# KiCad board KiBoxLite_H.kicad_pcb (continued)
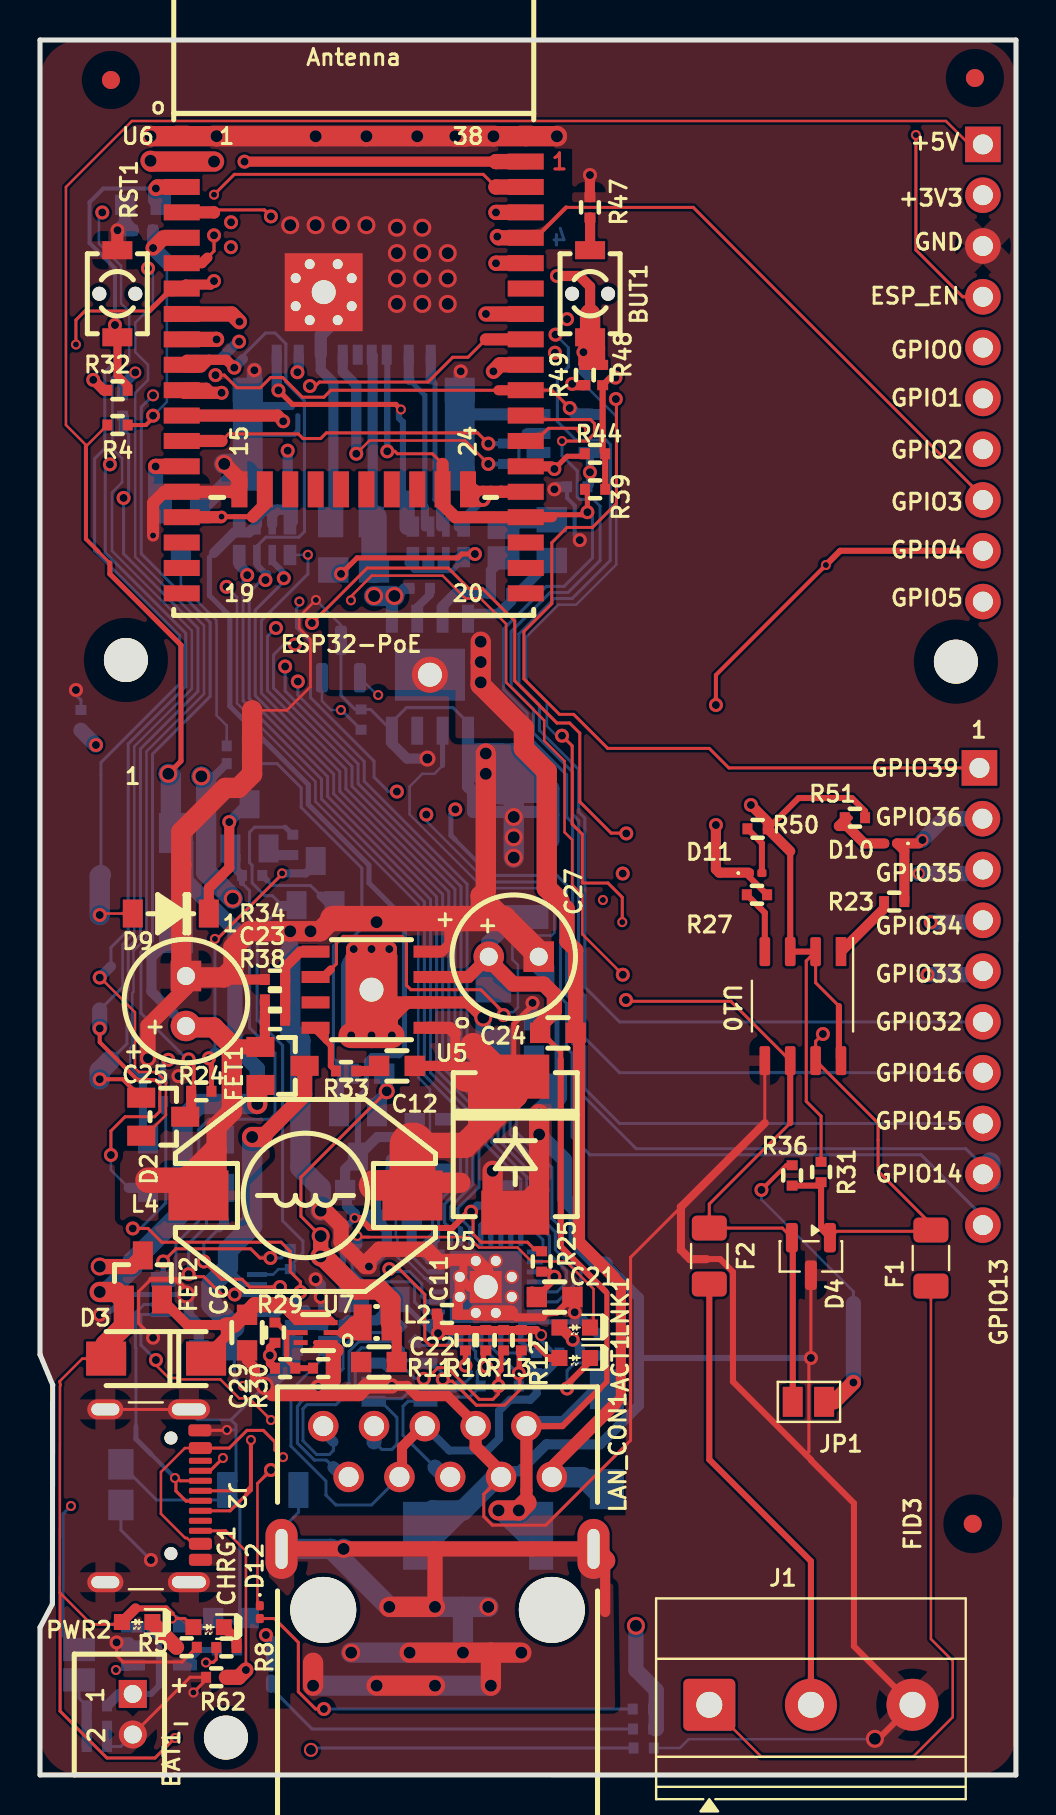
[diagram p0: board, top side]
## Routing (per net, layer and track width the routed paths; a pad name or vN(x,y) marks a point on that pad's centre or on a via; arc(x,y) is an arc through that point) (continued)
/GPIO3\U0RXD: length 103.2
  Top w0.152: 26.31,78.38 32.67,78.38 47.3,63.75
  Top w0.203: 26.31,78.38 24.85,76.92 v1(22.87,76.92)
  Top w0.762: v1(22.87,76.92) 22.93,76.86 U6.34
  In1.Cu w0.152: v1(5.4,75.33) 4.76,75.97 4.76,77.24 7.18,79.65 20.14,79.65 v1(22.87,76.92)
  Bottom w0.127: R16.1 5.07,34.82 4.51,35.38 4.51,36.35 4.61,36.45 4.61,39.1 4.68,39.17 4.68,41.21 5.32,41.86 5.32,51.18 8.2,54.06 8.2,57.47 4.76,60.91 4.76,69.1 5.4,69.75 5.4,70.51 4.76,71.14 4.76,72.62 5.65,73.5 5.65,75.09 v1(5.4,75.33)
  Bottom w0.406: D6.2 5.15,32.03 R19.2 R16.1
  Bottom w0.762: 5.15,32.03 D6.2
/GPIO4\U1TXD: length 49.4
  Top w0.152: 35.44,45.12 D11.1 ; U6.26 24.79,66.7 25.42,67.33 26.99,67.33 v4(27.08,67.24)
  Top w0.203: v1(33.8,53.5) 33.8,55 v4(39.3,60.5)
  Top w0.305: R27.1 35.46,44.91 D11.1 ; v4(39.3,60.5) 40.01,61.21 EXT1.9
  Top w0.508: 35.44,45.12 33.96,45.12 33.8,45.28 v1(33.8,47.5)
  In2.Cu w0.152: v4(27.08,67.24) 27.17,67.33 27.21,67.33 29.8,64.75 29.8,60.75 30.05,60.5 v4(39.3,60.5)
  In2.Cu w0.203: v1(33.8,47.5) v1(33.8,53.5)
/GPIO5\SPI_CS: length 67.8
  Top w0.762: v1(22.67,70.18) 23,70.51 U6.29
  In2.Cu w0.152: 32.4,52.96 38.11,58.67 47.3,58.67 ; v1(22.67,70.18) 21.53,69.04 21.53,65.43 23.43,63.52 23.43,53.55 22.29,52.41 22.29,52.22
  In2.Cu w0.203: 32.4,52.96 32.4,47.48 29.39,44.47 22.08,44.47 18.72,47.83 18.72,51.09 19.84,52.22 22.29,52.22
/GPIO12\PHY_PWR: length 3.6
  Top w0.762: v1(5.78,65.43) 5.79,65.43 U6.14
  Bottom w0.762: v1(5.78,65.43) 5.78,63.59 T1.1
/GPIO13\I2C-SDA: length 70.1
  Top w0.254: 10.64,62.92 v4(9.08,62.92)
  Top w0.61: 10.64,62.92 11.24,63.52 U6.16 ; v4(9.08,62.92) 9.05,62.89 U6.16
  In1.Cu w0.15: v1(17.85,49.17) 18.17,49.17 v1(19.32,48.02)
  In2.Cu w0.152: v4(12.97,58.67) 12.97,58.7 12.95,58.72 10.86,58.72 9.08,60.5 v4(9.08,62.92)
  Bottom w0.127: v4(12.97,58.67) 12.97,58.47 12.82,58.33 12.82,57.92 ; v1(19.32,48.02) 19.32,47.7 22.37,44.65
  Bottom w0.152: v1(17.85,49.17) 17.43,49.17 16.7,49.89 16.7,50.69 13.91,53.49 13.91,53.49 13.53,53.87 13.53,56.66 12.82,57.37 12.82,58.04 ; v4(12.97,58.67) 12.93,58.72 ; 22.37,44.65 25.54,44.65 26.02,44.17 26.02,38.88 26.33,38.57 26.33,36.37 26.61,36.09 26.61,31.9 27.5,31.01 44.05,31.01 47.57,27.49
/GPIO14\HS2_CLK: length 80.2
  Top w0.152: 9.08,66.7 9.43,67.05 12.92,67.05 13.15,66.82 14.04,66.82 14.32,67.11 21.88,67.11 v1(22.42,66.57)
  Top w0.61: U6.13 9.08,66.7
  In2.Cu w0.152: v1(20.77,48.28) 20.77,48.41 21.53,49.17 22.67,49.17 23.18,49.68 23.18,52.47 23.87,53.16 23.87,65.25 22.54,66.57 v1(22.42,66.57)
  Bottom w0.152: 47.52,30.63 47.57,30.58 47.57,30.03 46.29,31.31 29.81,31.31 26.91,34.21 26.91,36.29 26.63,36.58 26.63,38.7 26.33,39.01 26.33,44.5 25.85,44.98 22.54,44.98
  Bottom w0.203: 20.77,46.76 22.54,44.98
  Bottom w0.254: 20.77,46.76 20.55,46.98 20.55,48.06 v1(20.77,48.28) ; R40.1 v1(22.42,66.57)
  Bottom w1.016: 47.52,30.63 47.52,29.71
/GPIO15\HS2_CMD: length 72.7
  Top w0.152: v1(17.36,66.18) 17.75,66.18 17.87,66.06 19.62,66.06 20.13,65.55
  Top w0.254: 25.6,62.89 25.72,63.01 27.24,63.01 v1(27.37,63.14) 27.37,64.16 R39.2
  Top w0.508: 25.6,62.89 U6.23
  Top w0.61: 20.13,65.55 20.13,63.52 20.77,62.89 23.94,62.89 23.94,62.89 U6.23
  Bottom w0.152: v1(27.37,63.14) 27.62,62.89 27.62,60.86 26.2,59.43 25.31,59.43 23.18,57.3 23.18,54.28 24.36,53.1 24.36,51.98 26.33,50.01 26.33,47.9 26.63,47.59 26.63,39.14 26.94,38.83 26.94,36.73 27.24,36.42 27.24,34.31 28.98,32.57 47.57,32.57
  Bottom w0.305: 17.34,71.01 17.36,70.99 v1(17.36,66.18)
/GPIO16\I2C-SCL: length 85.4
  Top w0.152: v4(26.1,66.7) 27.35,66.7 27.73,67.07 27.73,67.57 27.53,67.77 24.49,67.77 U6.27
  In1.Cu w0.152: 25.4,70.76 11.44,70.76 10.54,71.67 v1(9.95,71.67)
  In1.Cu w0.762: 25.4,70.76 v1(25.75,71.11)
  In2.Cu w0.152: v4(26.1,66.7) 26.1,67.64 25.75,68 v1(25.75,71.11)
  Bottom w0.152: v4(26.1,66.7) 26.1,65.97 26.86,65.21 26.86,63.9 26.99,63.78 27.67,63.78 28.01,63.44 28.01,60.73 26.41,59.13 25.52,59.13 23.56,57.17 23.56,54.4 24.67,53.3 24.67,52.11 26.63,50.14 26.63,48.03 26.94,47.72 26.94,39.26 27.24,38.96 27.24,36.85 28.98,35.11 47.57,35.11
  Bottom w0.508: v1(9.95,71.67) 9.9,71.67 8.99,70.76 R45.2
/GPIO17\EMAC_CLK_OUT_180: length 73.3
  Top w0.152: 22.93,69.24 14.54,69.24 14.2,68.89 13.12,68.89 12.14,69.87 11.53,69.87 11.02,69.36 9.84,69.36 9.22,69.99 v1(8.78,69.99) ; v1(26.49,68.35) 25.59,69.24 U6.28
  Top w0.508: 24.32,69.24 22.93,69.24
  In2.Cu w0.152: v1(9.33,59.41) 8.5,60.24 8.5,69.72 v1(8.78,69.99)
  Bottom w0.127: U4.5 19.66,24.84 19.31,24.84 19.31,24.84 19.28,24.84 19.27,24.83 19.24,24.83 19.24,24.86 18.42,25.68 18.1,25.68 17.93,25.85 17.91,25.85 17.91,25.86 17.87,25.9 17.87,26.85 17.8,26.92 17.8,28.5 18.35,29.05 19.31,29.05 19.5,29.23 19.5,34.29 18.92,34.87 18.92,43.53 13.77,48.68 13.77,49.66 9.85,53.59 9.85,58.89 v1(9.33,59.41)
  Bottom w0.152: 19.75,24.71 19.38,24.71
  Bottom w0.61: v1(26.49,68.35) 26.81,68.03 U8.4
/GPIO18\MDIO(RMII): length 62.3
  Top w0.152: 22.3,71.78 21.4,70.89 20.64,70.89 19.4,69.65 13.97,69.65 13.77,69.45 v1(13.5,69.45)
  Top w0.61: U6.30 22.3,71.78
  In2.Cu w0.152: v1(13.5,69.45) 13.37,69.45 13.02,69.1 13.02,61.39 v4(13.4,61.01)
  Bottom w0.127: v4(13.4,61.01) 13.39,61 RM2.4.2
  Bottom w0.152: 24.04,27.43 24.35,27.73 24.35,29.89 22.6,31.65 22.6,32.92 20.14,35.37 20.14,44.04 14.99,49.18 14.99,50.17 11.07,54.09 11.07,57.72 13.4,60.05 v4(13.4,61.01)
  Bottom w0.254: 24.04,27.43 U4.16
/GPIO19\EMAC_TXD0(RMII): length 84.1
  Top w0.762: v1(22.3,73.05) U6.31
  In1.Cu w0.152: 22.54,74.57 22.04,75.08 22.04,75.78 19.18,78.64 10.61,78.64 10.23,78.25 10.23,77.33 9.95,77.05 ; 22.54,73.62 22.55,73.62 22.55,73.43 ; v1(22.3,73.05) 22.3,73.18
  In1.Cu w0.305: 22.54,73.62 22.54,74.57 ; v1(9.55,76.39) 9.55,76.65 9.95,77.05
  In1.Cu w0.508: 22.3,73.18 22.55,73.43
  In2.Cu w0.152: v1(9.55,76.39) 9.55,74.63 7.28,72.36 7.28,59.31 11.16,55.42 v1(12.26,55.42)
  Bottom w0.152: v1(12.26,55.42) 12.26,54.2 15.91,50.55 15.91,49.56 21.05,44.42 21.05,35.76 23.51,33.3 23.51,32.03 25.28,30.26 25.28,27.64 25.77,27.15 25.77,26.26 26.68,25.35 26.68,24.48 25.86,23.66 25.2,23.66
  Bottom w0.254: 25.2,23.66 U4.22
/GPIO21\EMAC_TX_EN(RMII): length 83.3
  Top w0.762: U6.33 22.8,75.59 v1(22.8,75.59)
  In1.Cu w0.152: v1(22.8,75.59) 19.45,78.94 10.4,78.94 9.55,78.09 v1(9.55,77.64)
  In2.Cu w0.152: v1(9.55,77.64) 10.12,77.07 10.12,74.78 7.58,72.24 7.58,59.44 10.49,56.53 v1(12.75,56.53)
  Bottom w0.152: v1(12.75,56.53) 12.2,56.53 11.68,56.01 11.68,54.35 15.6,50.43 15.6,49.44 20.75,44.29 20.75,35.63 23.2,33.17 23.2,31.9 24.97,30.14 24.97,27.44 25.47,26.95 25.47,26.06 26.33,25.19 26.33,24.63 25.85,24.16 25.21,24.16
  Bottom w0.254: 25.21,24.16 U4.21
/GPIO22\EMAC_TXD1(RMII): length 83.6
  Top w0.152: v4(8.7,79.02) 9.72,80.03 22.16,80.03 22.8,79.4
  Top w0.762: 22.8,79.4 22.8,79.4 U6.36
  In2.Cu w0.152: v4(8.7,79.02) 8.7,78.32 7.69,77.3 7.69,73.2 6.97,72.49 6.97,59.18 10.64,55.52 10.64,55.51 11.47,54.67 v1(12.89,54.67)
  Bottom w0.152: v1(12.89,54.67) 12.89,54 16.21,50.68 16.21,49.69 21.36,44.54 21.36,35.88 23.81,33.42 23.81,32.15 25.59,30.38 25.59,27.84 26.08,27.35 26.08,26.46 27.04,25.5 27.04,24.33 25.87,23.16 25.19,23.16
  Bottom w0.254: 25.19,23.16 U4.23
/GPIO23\MDC(RMII): length 78.5
  Top w0.508: v1(10.23,80.67) 22.8,80.67
  Top w0.762: U6.37 22.8,80.67 22.8,80.67
  In2.Cu w0.152: v1(11.8,57.35) 11.29,57.85 9.6,57.85 7.89,59.56 7.89,72.11 10.43,74.65 10.43,77.58 10.23,77.78 v1(10.23,80.67)
  Bottom w0.152: v1(11.8,57.35) 11.37,56.93 11.37,54.22 15.3,50.3 15.3,49.31 20.44,44.16 20.44,35.5 22.9,33.04 22.9,31.77 24.66,30.02 24.66,27.25 25.15,26.76 25.15,26.37 25.08,26.31
  Bottom w0.254: U4.17 24.93,26.16 25.08,26.31
/GPIO25\EMAC_RXD0(RMII): length 61.7
  Top w0.508: 8.45,70.76 9.32,70.76 v1(9.71,70.37) ; 8.45,70.76 7.34,70.76 U6.10 7.22,70.38 8.07,70.38 8.45,70.76
  In2.Cu w0.127: v1(11.27,59.75) 11.2,59.83
  Bottom w0.152: 9.71,70.55 v1(9.71,70.37) ; 10.15,70.98 10.15,70.8 10.15,70.97 11.28,72.1 11.75,72.1 12.29,71.56 12.29,69.64 13.22,68.71 13.22,62.17 12.94,61.89 11.29,61.89 10.85,61.45 RM2.2.2 ; 11.31,59.98 10.46,59.12 10.46,53.84 14.38,49.92 14.38,48.93 19.53,43.78 19.53,35.12 21.95,32.7 21.95,29.4 20.89,28.34 20.89,27.96 21.54,27.31
  Bottom w0.254: U4.11 21.54,27.31 ; 11.31,59.98 11.31,60.03 ; 10.85,60.5 RM2.2.2
  Bottom w0.305: 11.31,60.03 10.85,60.5
  Bottom w0.406: 11.37,60.03 11.31,59.98
  Bottom w0.508: 10.15,70.8 v1(9.71,70.37)
/GPIO26\EMAC_RXD1(RMII): length 53.3
  Top w0.508: U6.11 7.21,69.36 8.32,69.36 8.57,69.11
  Top w0.61: U6.11 7.22,69.11 v1(9.08,69.11)
  In2.Cu w0.152: v1(9.08,69.11) 10.46,67.73 10.46,59.99
  Bottom w0.152: 21.04,27.31 20.54,27.81 20.54,28.42 21.64,29.52 21.64,32.57 19.22,34.99 19.22,43.66 14.08,48.8 14.08,49.79 10.15,53.71 10.15,59.69 10.46,59.99
  Bottom w0.254: U4.10 21.04,27.31
  Bottom w0.508: RM2.1.2 9.96,60.5 10.46,59.99
  vias: v1(10.36,59.99)
/GPIO27\EMAC_RX_CRS_DV: length 54.1
  Top w0.61: v1(12.16,67.69) 11.87,67.97 U6.12
  In2.Cu w0.152: v1(12.16,67.69) 11.65,67.17 11.65,65.57 12,65.22 12,60.13 12.17,59.97
  Bottom w0.152: 23.54,27.43 24.04,27.93 24.04,29.77 22.29,31.52 22.29,32.79 19.83,35.25 19.83,43.91 14.69,49.05 14.69,50.05 10.76,53.97 10.76,58.24 12.17,59.64 12.17,59.97
  Bottom w0.254: 12.17,60.13 12.17,59.97 ; 23.54,27.43 U4.15 ; RM2.3.2 11.61,60.68
  Bottom w0.305: 11.61,60.68 12.17,60.13
  Bottom w0.406: 12.13,60 12.17,59.97
  vias: v1(12.19,59.84)
/GPIO32: length 79.8
  Top w0.762: v1(9.97,72.67) 9.59,73.05 U6.8
  In1.Cu w0.152: v1(25.78,72.02) 24.85,71.09 11.55,71.09 v1(9.97,72.67)
  Bottom w0.127: v1(25.78,72.02) 26.42,71.38
  Bottom w0.152: 47.57,37.65 28.98,37.65 27.24,39.39 27.24,47.85 26.94,48.15 26.94,50.26 24.97,52.23 24.97,53.51 23.94,54.54 23.94,57.05 25.72,58.82 26.61,58.82 28.51,60.73 28.51,66.53 28.3,66.75 26.8,66.75 25.87,67.67 25.87,69.86 26.42,70.41 26.42,71.38
/GPIO33: length 69
  Top w0.127: v4(15.55,58.74) 15.55,58.92 16.59,59.97 20.13,59.97 21.27,58.82 22.04,58.82 23.31,57.55 23.31,54.63 25.21,52.73 25.21,51.71 26.23,50.69 26.23,47.14 26.61,46.76 26.61,44.51 27.12,44 27.12,42.04 v1(29.14,40.01)
  Top w0.762: v1(8.83,71.78) 8.82,71.78 U6.9
  In1.Cu w0.762: v1(29.14,40.01) v1(44.38,40.01)
  In2.Cu w0.152: v4(15.55,58.74) 15.08,58.74 14.34,59.48 14.34,67.28 14.29,67.33 14.29,69.22 14.3,69.23 14.3,69.67 14.29,69.68 14.29,70 13.32,70.96 9.64,70.96 v1(8.83,71.78)
  Bottom w0.152: 47.39,40.01 47.57,40.19
  Bottom w0.508: v1(8.83,71.78) R45.1
  Bottom w0.762: v1(44.38,40.01) 47.39,40.01
/RD+: length 13.3
  Top w0.254: R11.2 v1(21.27,20.47)
  Bottom w0.152: 17.21,18.82 18.1,18.82 18.48,19.2 20.77,19.2 TVS3.1 21.1,19.45 21.56,19.91 21.56,20.18 v1(21.27,20.47) 21.48,20.67 21.48,21.03 21.04,21.46 21.04,21.47 ; 17.21,18.82 17.08,18.69 TVS1.1 ; 17.21,18.82 17.21,18.51 17.85,17.88 17.85,16.53 17.59,16.28 17.08,16.28 16.7,16.66
  Bottom w0.254: U4.31 21.04,21.47
  Bottom w0.762: LAN_CON1.3 16.7,16.66
/RD-: length 13.1
  Top w0.254: v1(22.3,20.43) 22.16,20.56 22.16,21.1 R10.2
  Bottom w0.152: 19.75,15.39 18.15,16.99 18.15,18.43 18.41,18.69 TVS1.5 19.48,18.89 21.48,18.89 TVS3.2 21.86,19.63 21.86,20.17 22.12,20.43 v1(22.3,20.43) 22.2,20.43 21.78,20.85 21.78,21.18 21.54,21.42 21.54,21.47
  Bottom w0.254: U4.30 21.54,21.47
  Bottom w0.762: 19.75,15.39 20.24,14.9 LAN_CON1.6
/TD+: length 26
  Top w0.152: v1(22.93,19.45) 22.93,19.06 22.65,18.78 21.96,18.78 20.38,20.36 19.9,20.36 19.34,19.81 v1(19.19,19.81)
  Top w0.254: R13.2 23.05,21.1 23.05,20.24 22.93,20.11 v1(22.93,19.45)
  Bottom w0.152: 17.21,20.72 17.21,20.34 17.34,20.22 18.35,20.22 18.73,19.83 19.16,19.83 v1(19.19,19.81) ; 17.21,20.72 17.72,20.72 17.87,20.87 17.87,21.16 17.67,21.36 16.07,21.36 15.76,21.05 15.76,19.48 14.8,18.51 13.35,18.51 13.15,18.31 13.15,16.71 13.83,16.02 14.47,16.02 14.67,16.23 14.67,16.66 ; 17.21,20.72 16.8,20.72 TVS1.3 ; v1(22.93,19.45) 22.93,20.22 22.9,20.24 22.9,20.62 22.04,21.48
  Bottom w0.254: U4.29 22.04,21.48
  Bottom w0.508: LAN_CON1.1 14.16,17.17 14.67,16.66
/TD-: length 25.7
  Top w0.152: v1(23.94,20.09) 23.94,19.91 23.99,19.87 23.99,19.25 23.23,18.49 21.82,18.49 20.62,19.69 20.23,19.69 v1(20.14,19.78)
  Top w0.254: R12.2 23.96,21.12 23.96,20.11 v1(23.94,20.09)
  Bottom w0.152: 22.54,21.49 22.54,21.42 23.87,20.09 v1(23.94,20.09) ; 14.67,15.39 14.32,15.74 13.72,15.74 12.87,16.59 12.87,18.43 12.95,18.51 12.95,18.54 13.22,18.82 14.67,18.82 15.46,19.61 15.46,21.18 15.94,21.66 17.79,21.66 18.17,21.28 18.17,20.9 18.35,20.72 19.14,20.72 TVS1.4 19.63,20.59 20.14,20.08 v1(20.14,19.78)
  Bottom w0.254: U4.28 22.54,21.49 ; TVS2.1 v1(23.94,20.09)
  Bottom w0.61: LAN_CON1.2 15.16,14.9 14.67,15.39
Spare1: length 81.9
  Top w0.254: 28.01,19.33 28.34,19.66 28.34,24.12 28.26,24.2 ; 26.04,35.79 26.04,36.15 25.08,37.11
  Top w0.305: 26.04,35.79 26.04,26.42 28.26,24.2 ; C24.1 25.08,37.11 ; LAN_CON1.9 26.12,17.44 28.01,19.33
  Top w0.61: LAN_CON1.9 24.32,13.61 ; C27.1 21.42,39.9 U5.3
  Top w0.762: C27.1 22.44,40.77 23.66,39.55 25.18,39.55 25.72,39.01 25.72,38.2 25.01,37.49 C24.1
  Top w1.016: v3(22.93,13.23) v3(23.94,13.23) 24.32,13.61
  In1.Cu w0.762: 17.72,57.93 v3(17.72,58.95) ; 17.72,57.93 v3(16.7,58.95) ; 17.72,57.93 17.72,54.38 20.64,51.46 20.64,50 22.54,48.09 22.44,47.98 C27.1
  In1.Cu w1.016: v3(16.7,58.95) v3(17.72,58.95)
  Bottom w0.508: D8.1 27.75,19.29 26.17,17.7 24.58,17.7 LAN_CON1.9 ; U9.1 17.59,58.82 v3(17.72,58.95) 17.85,58.95 18.23,59.33 R52.1
  Bottom w0.762: R42.1 22.44,41.62 C27.1 ; 23.56,12.59 24.83,11.32 ; 23.56,12.59 v3(22.93,13.23) 25.06,13.23 R7.1 24.42,12.59 23.56,12.59
  Bottom w1.016: 22.8,39.39 22.44,39.75 C27.1 ; 22.93,39.65 R28.2 ; v3(16.7,58.95) v3(17.72,58.95)
Spare2: length 57.1
  Top w0.508: 28.77,18.56 29.05,18.84 29.05,24.55 28.69,24.91
  Top w0.61: 28.69,24.91 26.95,26.65 26.95,36.94 C24.2 ; 28.77,18.56 25.59,15.39 LAN_CON1.10
  Top w0.762: C24.2 26.79,41.25 26.35,41.68 26.35,43.33 25.97,43.71
  Top w1.016: v3(22.04,56.66) v3(22.04,55.65) v3(22.04,54.63) 22.04,54.5 24.2,52.35 24.2,51.33 25.34,50.19 25.34,44.34 25.97,43.71
  Bottom w0.508: D8.2 27.75,14.29 27.13,14.9 LAN_CON1.10 ; U9.4 21.65,58.06 22.93,58.06 23.56,58.7 R53.2 23.88,59.08 25.53,60.73 R54.1
  Bottom w1.016: 25.59,14.88 27.16,14.88 27.75,14.29
Net-(ACT1-A): length 15.3
  Top w0.152: v1(17.46,25.29) 17.97,25.29 19.24,24.03 19.24,21.74 19.5,21.49 20.64,21.49 20.89,21.74 24.48,21.74 25.37,20.85 25.47,20.85
  Top w0.406: 25.97,20.85 25.47,20.85
  Bottom w0.152: 19.36,23.66 19.09,23.92 19.09,24.56 18.48,25.17 17.59,25.17 v1(17.46,25.29)
  Bottom w0.254: U4.3 19.36,23.66
Net-(ACT1-K): length 4.9
  Top w0.305: v1(26.35,19.33) 26.35,19.52 27.5,20.66 ACT1.1
  Bottom w0.152: v1(26.35,19.33) 26.35,20.22 26.74,20.6 27.62,20.6 27.75,20.72
  Bottom w0.254: R15.1 27.75,20.72
Net-(BAT_SENS_E1-Pad2): length 3.5
  Bottom w0.152: R17.2 1.95,3.84 BAT_SENS_E1.2
  Bottom w0.508: R17.2 R22.1 C19.1
Net-(BUT1-Pad2): length 1.6
  Top w0.508: BUT1.2 27.51,77.86 R47.1
Net-(C10-Pad2): length 23
  Bottom w0.152: 14.92,35.58 14.67,35.84 14.67,41.45 15.15,41.92 15.68,41.92 16.09,42.34 16.09,45.35 13.06,48.38 13.06,49.37 11.86,50.57 10.86,50.57
  Bottom w0.406: C10.2 14.92,35.58
  Bottom w0.508: 10.86,50.57 R2.2 R3.1 ; C10.2 14.95,34.59 FET3.1
Net-(C12-Pad2): length 1.2
  Top w0.508: R33.2 16.7,35.2 C12.2
Net-(C26-Pad1): length 6.3
  Bottom w0.406: R43.1 24.96,35.96 25,35.92 25,35.5 24.64,35.14 ; R43.1 24.4,35.66 24.4,34.9 C26.1 24.64,35.14 ; R43.1 24.7,35.2 24.64,35.14 ; R43.1 24.7,35.84 23.81,34.95 23.81,34.57
Net-(CHRG1-K): length 1.3
  Top w0.508: R8.1 9.83,6.76 CHRG1.1
Net-(Class4_EN1-Pad1): length 2.6
  Bottom w0.61: Class4_EN1.1 23.43,62.63 25.47,62.63 R54.2
Net-(D3-K): length 13.1
  Top w0.254: 14.16,22.88 14.47,22.88 14.72,22.63 14.71,22.62 U7.3 ; 12.64,23.14 13.03,22.74 U7.4
  Top w0.508: 6.1,23.77 7.37,22.5 9.3,22.5 9.3,21.94 8.18,20.82
  Top w0.762: 6.1,23.77 6.1,23.67 ; 14.16,22.88 12.89,22.88 12.26,23.52 10.73,23.52 9.72,22.5 9.3,22.5
Net-(D4-A1): length 64.9
  Top w0.152: D4.1 39.81,27.19 44.92,27.19 41.91,30.19 41.91,32.59 U10.7 38.78,36.69 v1(39.15,37.05)
  Top w0.305: R36.1 38.88,29.47 R31.2 39.05,27.31 D4.1
  In1.Cu w0.152: 28.35,42.8 28.35,40.02 28.91,39.46 36.74,39.46 v1(39.15,37.05)
  In1.Cu w0.508: v4(28.15,43.75) 28.15,43.48 28.35,43.28 28.35,42.8
  In2.Cu w0.152: v4(16.91,54) 14.8,54 13.9,53.11 13.9,46.71 16.86,43.75 v4(28.15,43.75)
  Bottom w0.127: v4(16.91,54) 16.86,54 D4#2.1
Net-(D4-A2): length 60.6
  Top w0.152: U10.6 34.55,38.68 29.36,38.68 v1(29.3,38.75) ; 37.51,32.59 33.47,28.55 F2.1 37.12,27.35 D4.2
  Top w0.305: D4.2 37.64,26.83 JP1.1 ; 37.51,32.59 U10.6
  In1.Cu w0.127: v4(15.05,53.25) 15.05,52.5 15.8,51.75 15.8,46.98 21.25,41.53 21.25,40.38 21.73,39.89 22.52,39.89 24.39,38.03 28.57,38.03
  In1.Cu w0.508: 28.57,38.03 v1(29.3,38.75)
  Bottom w0.127: D4#2.2 14.1,53.7 14.55,53.25 v4(15.05,53.25)
  Bottom w0.152: R35.1 15.07,53.25 v4(15.05,53.25)
Net-(D5-K): length 34.7
  Top w0.254: 24.2,35.35 23.69,35.86 23.69,37.55 24.63,38.49 v1(24.63,38.6)
  Top w0.508: 20.77,35.46 20.77,37.07 20.75,37.09 ; 20.77,35.46 21.3,34.92 ; 20.77,35.46 C12.1 ; 23.21,34.92 D5.1 24.2,35.35
  Top w0.61: 20.75,37.09 20.48,37.36 U5.1
  Top w1.016: 21.02,29.61 19.26,29.61 L4.1 18.12,29.49
  Top w1.27: 22.04,32.28 22.04,33.93 23.02,34.92 D5.1 23.76,34.01 22.04,32.28 ; 22.04,32.28 21.24,31.48 18.62,31.48 ; 23.21,34.92 21.66,36.47
  Top w1.524: 18.12,29.49 16.7,29.49 ; D5.1 21.3,34.92
  Top w2.286: L4.1 18.62,31.48
  Bottom w0.406: R43.2 24.63,37.82
  Bottom w0.508: 24.63,37.82 v1(24.63,38.6)
Net-(D9-K): length 6.4
  Top w0.508: D9.1 8.44,44.34 9.46,45.36 v1(9.46,47.65)
  Bottom w0.508: Q2.3 10.35,48.54 v1(9.46,47.65)
Net-(D10-A): length 3.5
  Top w0.203: R51.1 40.53,47.86 40.55,47.85
  Top w0.508: D10.2 41.22,46.58 40.35,47.45 39.95,47.45 40.34,47.85
Net-(D11-A): length 2.5
  Top w0.305: D11.2 36.1,46.59 R50.1
Net-(D12-A): length 22.1
  Top w0.152: v1(14.2,3.3) 13.78,3.3 12.92,4.16 12.92,6.63 11.72,7.82 D12.2
  Bottom w0.127: 14.38,3.3 14.38,3.3 v1(14.2,3.3)
  Bottom w0.152: R56.2 v1(14.2,3.3)
Net-(D12-K): length 28.1
  Top w0.127: 10.87,8.58 10.87,14.57
  Top w0.15: 10.87,14.57 v1(11.55,15.25) ; D12.1 10.87,8.58
  Top w0.152: v1(9.73,24.03) 9.08,24.03 8.19,24.91 7.56,24.91 v1(7.43,25.04)
  In1.Cu w0.152: v1(11.55,15.25) 11.55,16.93 9.55,18.93 9.55,23.05 9.75,23.25 ; 9.75,24.01 v1(9.73,24.03)
  In1.Cu w0.762: 9.75,23.25 9.75,24.01
  Bottom w0.152: v1(7.43,25.04) 7.43,26.56 8.32,27.45 8.32,30.63 8.7,31.01
  Bottom w0.254: v1(9.73,24.03) U1.8
  Bottom w0.508: 8.7,31.01 9.2,31.51 D6.1
Net-(D13-A): length 19.4
  Bottom w0.152: 11.55,4.36 13.61,2.3 R37.2
  Bottom w0.508: D13.2 11.55,4.36
Net-(D13-K): length 32.3
  Top w0.15: 11.55,6.75 v1(11.3,7)
  Top w0.152: v1(12,24.4) 10.49,24.4 10.1,24.79 9.08,24.79 v1(8.19,25.68)
  In1.Cu w0.127: v1(11.3,7) 10.05,8.25 10.05,17.9 8.19,19.75 8.19,24.85
  In1.Cu w0.508: 8.19,24.85 v1(8.19,25.68)
  Bottom w0.152: 11.55,6.75 v1(11.3,7) ; v1(8.19,25.68) 8.19,26.56 8.96,27.33
  Bottom w0.254: U1.9 11.63,23.53 11.88,23.77 11.88,24.27 v1(12,24.4)
  Bottom w0.406: 8.96,27.33 R18.2 9.2,27.59 D7.2
  Bottom w0.508: D13.1 11.55,6.75
Net-(J1-Pin_1): length 36.1
  Top w0.127: J1.1 36.06,0.92 43.67,0.92 45.64,2.89 45.64,5.71 44.55,6.8 F1.2
Net-(J1-Pin_2): length 23.1
  Top w0.305: J1.2 38.55,10.69 33.47,15.77 F2.2
Net-(J2-CC1): length 34.2
  Top w0.15: 13.64,1.35 v6(13.55,1.26)
  Top w0.152: 8.12,15.21 8.16,15.25 8.55,15.25 v4(9.15,15.85)
  In1.Cu w0.15: v4(9.15,15.85) 9.3,15.7 9.3,15.25 9.75,14.8 9.75,7.55 11.05,6.25 11.05,3.75 11.05,3.75 v6(13.55,1.26)
  Bottom w0.127: 13.64,1.35 v6(13.55,1.26)
  Bottom w0.152: R63.2 13.64,1.35 v6(13.55,1.26)
Net-(J2-CC2): length 9.8
  Top w0.127: 9.49,12 10.3,11.19 v1(10.3,5.25)
  Top w0.152: 8.12,12.21 9.28,12.21 9.49,12
  Top w0.762: v1(10.3,5.25) 9.93,4.89 R62.1
  In2.Cu w0.203: 10.19,5.35 v1(10.3,5.25)
Net-(JP1-B): length 15.4
  Top w0.152: 39.7,18.66 JP1.2
  Top w0.203: R36.2 37.31,30.49 v1(36.07,29.25)
  Top w0.762: v1(40.67,19.62) 39.7,18.66
  Bottom w0.127: v1(36.07,29.25) 36.07,28.78 40.67,24.18
  Bottom w0.152: 40.67,24.18 40.67,23.57
  Bottom w0.762: 40.67,23.57 v1(40.67,19.62)
Net-(LAN_CON1-RCT): length 47.8
  Top w0.406: v2(25.06,22) 24.81,22.25 R12.1 R13.1 R10.1 R11.1
  Top w0.508: v1(19.9,22.09) 19.9,22.99 C11.1 ; v1(19.9,22.09) 19.88,22.12 ; v1(19.9,22.09) 20.06,22.25 R11.1 ; LAN_CON1.5 19.14,17.44 18.1,16.41 18.1,15.03 LAN_CON1.4
  Bottom w0.127: 12.46,19.15 14.42,21.1
  Bottom w0.152: 24.58,20.47 23.94,21.1 23.43,21.1 23.04,21.5 ; 12.46,19.15 12.55,19.06 12.55,16.45 14.3,14.7 14.3,14 14.8,13.5 16.57,13.5 LAN_CON1.4
  Bottom w0.203: v2(25.06,22) 25.06,21.74 25.69,21.1 25.95,21.1
  Bottom w0.254: U4.1 19.09,22.66 ; U4.1 19.75,22.57 19.75,22.25 v1(19.9,22.09) 19.65,22.09 19.5,22.25 ; U4.1 19.65,22.66 19.5,22.5 19.5,22.25 ; 19.09,22.66 17.97,23.77 L1.2 17.85,23.77 ; 19.09,22.66 19.5,22.25 ; 24.58,20.47 24.83,20.22 C15.1 ; U4.27 23.04,21.5
  Bottom w0.305: 25.97,20.82 R14.1 25.95,21.1
  Bottom w0.406: 25.97,20.82 25.24,20.09 C15.1 24.83,19.07 24.53,18.77 23.51,18.77 22.95,18.21 22.95,16.81 22.37,16.23 20.46,16.23 LAN_CON1.5 ; 17.59,23.77 17.59,23.71 ; 14.54,21.1 14.54,21.41 15.18,22.04 C16.1
  Bottom w0.508: C16.1 15.41,22.73 16.84,22.73 17.59,23.49 17.59,23.71 ; L1.2 17.59,23.77
Net-(LAN_CON1-Shield): length 61.5
  Top w0.508: 28.26,10.72 28.26,8.15
  Top w0.762: LAN_CON1.0 19.73,11.3 ; 19.73,11.3 v3(15.18,11.3) LAN_CON1.0 ; 19.73,11.3 19.75,11.28 v3(19.75,8.4)
  Top w1.016: v3(17.46,8.4) v3(19.75,8.4) ; v3(18.48,6.12) v3(21.15,6.12) 22.54,6.12 ; 22.54,6.12 v3(24.07,6.12) ; 22.54,6.12 v3(22.54,4.47) ; v3(19.75,4.47) v3(16.83,4.47) ; v3(13.65,4.47) 13.65,5.61 ; LAN_CON1.0 28.26,10.72
  Bottom w0.15: C2.2 12.92,13.13 12.08,12.28 LAN_CON1.0
  Bottom w1.016: 21.15,8.4 v3(19.75,8.4) v3(17.46,8.4) 14.56,11.3 LAN_CON1.0 ; 21.15,8.4 v3(22.42,8.4) ; 21.15,8.4 v3(21.15,6.12) ; v3(15.18,11.3) 15.19,11.31 ; v3(18.48,6.12) v3(15.56,6.12) ; v3(22.54,4.47) v3(19.75,4.47) ; v3(16.83,4.47) v3(13.65,4.47)
Net-(LNK1-A): length 1.7
  Top w0.508: 25.97,22.37 26.03,22.37 v1(26.64,21.77)
  Bottom w0.406: v1(26.64,21.77) 26.99,21.41 R14.2
Net-(LNK1-K): length 22.5
  Top w0.127: 16.44,26.9 21.43,26.9 21.95,26.37 23.88,26.37 24.58,25.68 26.3,25.68 27.68,24.3 27.68,22.55 LNK1.1
  Top w0.152: v4(15.87,26.95) 15.92,26.9 16.44,26.9
  Bottom w0.152: 19.22,23.16 18.73,23.64 18.73,24.48 18.56,24.66 16.19,24.66 15.6,25.25 15.6,26.25 ; 15.75,26.83 v4(15.87,26.95)
  Bottom w0.254: U4.2 19.22,23.16 ; 15.6,26.25 15.87,26.51
  Bottom w0.508: 15.87,26.51 v4(15.87,26.95)
Net-(MICRO_SD1-CD/DAT3/CS): length 9
  Bottom w0.254: 19.24,63.39 19.24,68.98 18.48,69.75
  Bottom w0.406: 19.24,62.38 19.24,63.39
  Bottom w0.508: 18.48,69.75 18.44,69.79 18.44,71.01
Net-(MICRO_SD1-CLK/SCLK): length 13.4
  Top w0.127: v1(15.81,66.06) 16.48,66.72 21.25,66.72 v1(22.42,65.55)
  Bottom w0.254: R40.2 v1(22.42,65.55)
  Bottom w0.508: 15.14,71.01 15.14,70.17 15.81,69.49 v1(15.81,66.06)
Net-(MICRO_SD1-DAT0/DO): length 11.1
  In1.Cu w0.152: 11.95,70.45 11.33,70.45 10.76,71.02 8.96,71.02 8.07,70.13
  In1.Cu w0.203: v2(4.76,70.13) 8.07,70.13
  In1.Cu w0.254: 11.95,70.45 12.26,70.14
  In1.Cu w0.508: 12.26,70.14 v1(12.87,70.14)
  Bottom w0.508: 12.94,71.01 12.94,70.2 v1(12.87,70.14) ; R46.2 4.13,69.49 v2(4.76,70.13)
Net-(MICRO_SD1-DAT1/RES): length 14.4
  Top w0.254: v4(18.05,68.28) 17.79,68.53 12.62,68.53 v1(11.92,69.23)
  Bottom w0.305: v4(18.05,68.28) 17.95,68.18 17.95,67.85 18.15,67.65 18.15,64.05 18.35,63.84
  Bottom w0.508: v1(11.92,69.23) 11.84,69.32 11.84,71.01
  Bottom w0.762: 18.35,63.84 18.35,62.38
Net-(MICRO_SD1-DAT2/RES): length 8.8
  Bottom w0.254: 19.54,69.78 19.75,69.57 19.75,63.78 20,63.52
  Bottom w0.406: 20,62.38 20,63.52
  Bottom w0.508: 19.54,71.01 19.54,69.78
Net-(MICRO_SD1-VDD): length 10.7
  Bottom w0.508: 16.63,62.94 16.63,70.97 16.59,71.01
  Bottom w1.27: L5.2 16.7,62.89
Net-(PWR2-K): length 1.7
  Top w0.152: 5.62,7.53 5.68,7.53
  Top w0.762: 5.68,7.53 R5.1
Net-(Q2-B): length 2.5
  Bottom w0.254: 11.5,45.87 12.51,45.87 R20.2
  Bottom w0.305: R20.2 12.54,46.1 11.66,46.1 Q2.1
Net-(Q2-E): length 28.8
  Bottom w0.152: 10.1,44.6 10.48,44.22 10.48,37.36 11.75,36.09 11.75,33.04 11.5,32.79 8.45,32.79 7.94,32.28 7.94,27.71 6.8,26.56 6.8,24.66 6.66,24.53
  Bottom w0.254: U1.4 6.66,24.53
  Bottom w0.305: Q2.2 9.87,45.98 9.87,45.21 R21.1 10.1,44.6
  Bottom w0.406: R21.1 9.34,45.74 9.34,46.25
Net-(Q3-B): length 5.2
  Bottom w0.152: 14.04,43.96 13.53,44.47 11.62,44.47 11.37,44.73
  Bottom w0.305: R21.2 11.37,44.73
  Bottom w0.406: 14.67,43.58 14.42,43.58 14.04,43.96 14.39,43.96 14.86,43.49
Net-(Q3-C): length 14.6
  Top w0.152: v4(12.11,45.08) 12.11,45.04 8.87,41.81 v4(8.75,41.81)
  Top w0.254: v1(8.45,35.84) 8.57,35.71 R24.1
  Bottom w0.15: v4(8.75,41.81) 8.75,36.13
  Bottom w0.406: 13.91,45.7 13.29,45.08 v4(12.11,45.08)
  Bottom w0.508: 8.75,36.13 v1(8.45,35.84)
Net-(Q3-E): length 29.4
  Bottom w0.127: R55.1 11.92,25.29 11.65,25.03 U1.6
  Bottom w0.152: R55.1 12.51,25.47 13.15,26.1 13.15,26.69 12.13,27.71 12.13,36.47 10.86,37.74 10.86,42.19 12.13,43.46 11.62,43.96 11.24,43.96 10.61,44.6 10.61,45.49 10.48,45.61 10.48,47.14 10.73,47.39 12.26,47.39
  Bottom w0.254: R20.1 12.26,47.39
  Bottom w0.508: Q3.2 12.79,43.46 12.13,43.46
Net-(R28-Pad1): length 30
  Top w0.508: 17.21,38.63 U5.9
  Top w0.61: v3(22.16,37.87) 21.4,38.63 U5.2 ; v1(17.59,36.98) 17.59,37.87 18.35,38.63 U5.2 ; U5.2 17.21,38.63
  Top w0.762: v1(16.58,41.3) U5.9 ; v1(16.58,41.3) v1(15.69,41.3) 15.69,40.56 ; v1(16.58,41.3) v1(17.46,41.3) 17.46,40.79
  Top w1.27: v1(15.56,36.98) v1(17.59,36.98) ; U5.9 v1(16.58,36.98)
  In1.Cu w3.048: U5.9 18.35,39.26
  Bottom w0.762: v3(22.16,37.87) 22.16,37.23 22.8,36.6 ; 15.81,40.41 15.81,40.53 v1(16.58,41.3)
  Bottom w1.27: 17.08,37.49 17.08,39.65 16.96,39.65 U5.9 17.08,39.77 17.08,40.28
  Bottom w1.524: 15.81,40.41 15.81,37.49
Net-(T1-C): length 10.6
  Bottom w0.127: R3.2 9.34,52.47 8.83,52.98 8.83,57.55 8.81,57.57 8.81,57.75 7.04,59.52 T1.3
Net-(U1-CTS#): length 7.7
  Top w0.152: v1(11.52,25.85) 11,25.85 10.54,26.31 6.8,26.31 v1(6.16,25.68)
  Bottom w0.152: v1(11.52,25.85) 12.05,25.85 R55.2
  Bottom w0.254: U1.5 6.16,25.14 v1(6.16,25.68)
Net-(U1-V3): length 20.6
  Top w0.152: v1(4.64,27.33) 5.4,27.33 6.09,26.64 12.05,26.64 12.51,26.18 12.51,25.17 13.02,24.66 v1(13.02,24.15)
  Bottom w0.152: v1(4.64,27.33) 5.02,27.33 6.29,28.6 6.29,33.04 6.16,33.17
  Bottom w0.254: C8.1 12.38,23.52 11.89,23.03 U1.10 ; v1(13.02,24.15) 13.02,24.03
  Bottom w0.305: R19.1 6.16,33.17
  Bottom w0.508: 13.02,24.03 C8.1
Net-(U3-CHRGb): length 6.9
  Top w0.152: v4(8.3,5.62) 8.66,5.62 8.81,5.78 R8.2
  In1.Cu w0.152: 7.75,5.07 3.97,5.07 v4(3.8,5.25)
  In1.Cu w0.508: 7.75,5.07 v4(8.3,5.62)
  Bottom w0.152: U3.1 4.43,5.28 3.83,5.28 v4(3.8,5.25)
Net-(U3-PROG): length 1.9
  Bottom w0.305: U3.5 8,6.25 R6.1
Net-(U3-VBAT): length 36.2
  Top w0.762: v3(2.99,25.42) 4.58,25.42 FET2.3
  In2.Cu w0.11: 5.3,12.25 5.3,13.33
  In2.Cu w0.127: 5.89,7.58 4.95,8.53 4.95,11.6 5.3,11.95 5.3,12.25
  In2.Cu w0.152: 5.3,13.33 5.3,15.5
  In2.Cu w0.203: 5.3,15.5 5.3,19.25 7.43,21.38
  In2.Cu w0.254: 7.43,21.38 7.43,22.37
  In2.Cu w0.305: 7.43,22.37 4.38,25.42 v3(2.99,25.42) ; 4.97,5.33 5.89,6.25 5.89,7.58
  In2.Cu w0.762: 4.6,4.48 4.6,4.96 4.97,5.33 4.64,5 4.64,4.07
  Bottom w0.305: 3.95,4.05 BAT1.1 4.64,4.05 5.55,4.05 5.95,4.45 5.95,6.79 5.33,7.4 U3.3
  Bottom w0.508: 3.95,4.05 R17.1
Net-(U4-NRST): length 3.5
  Top w0.305: R25.1 25.47,25.17 v1(25.72,24.91) 25.72,24.78 C21.2
  Top w0.508: 24.6,23.9 24.6,24.18
  Bottom w0.254: U4.19 25.48,25.16 v1(25.72,24.91)
Net-(U4-RBIAS): length 2.4
  Bottom w0.152: 20.39,21.49 18.95,21.49
  Bottom w0.254: U4.32 20.54,21.64 20.39,21.49 ; 18.73,21.74 18.86,21.74
  Bottom w0.305: 18.95,21.49 R26.1
Net-(U4-RXCLK/PHYAD1): length 5.6
  Bottom w0.152: 19.39,25.66 19.12,25.93 19.12,26.56 19.62,27.07 19.62,28.85 20.26,29.49 20.26,29.74
  Bottom w0.254: 19.39,25.66 U4.7
  Bottom w0.305: RM1.1.2 20.26,29.74
Net-(U4-RXD2/RMIISEL): length 6.3
  Bottom w0.152: 20.89,31.65 21.34,31.2 21.34,29.65 20.23,28.55 20.23,27.61 20.54,27.3
  Bottom w0.254: RM1.3.2 20.64,31.9 20.89,31.65 ; U4.9 20.54,27.3
Net-(U4-RXD3/PHYAD2): length 6.2
  Bottom w0.152: 19.75,26.56 19.93,26.74 19.93,28.68 21.02,29.77 21.02,30.88 20.77,31.14
  Bottom w0.254: 19.75,26.56 19.75,26.25 U4.8
  Bottom w0.305: 20.77,31.14 RM1.2.2
Net-(U4-RXER/RXD4/PHYAD0): length 2
  Bottom w0.254: R41.2 23.31,28.34 23.31,28.09 22.54,27.32 U4.13
Net-(U4-VDDCR): length 3.8
  Bottom w0.152: C18.1 18.35,26.18 19.38,25.16 19.45,25.16
  Bottom w0.254: U4.6 19.45,25.16
  Bottom w0.406: 18.86,27.71 18.86,27.45
  Bottom w0.508: C18.1 18.58,26.54 C17.1
Net-(U5-BS): length 3.6
  Top w0.305: R33.1 14.54,35.46 14.54,36.47 14.29,36.72 ; 14.29,36.72 13.78,37.24 U5.8 14.01,37.36 14.29,37.08 14.29,36.72
Net-(U5-EN): length 36.4
  Top w0.152: v1(23.18,38) 23.18,38.12 22.04,39.26 18.54,39.26 18.32,39.49 18.32,41.71 18.1,41.93 15.16,41.93 14.82,41.6 14.82,40.56 14.54,40.28
  Top w0.406: 14.54,40.28 14.16,39.9 U5.6
  Bottom w0.127: v1(23.18,38) 23.33,38.15 23.67,38.15 23.9,38.38 23.9,40.5 23.62,40.78 23.62,41.7 23.9,41.97 25.58,41.97 25.72,42.11 25.72,43.84 25.21,44.34 22.16,44.34 18.48,48.03 18.48,49.42 19.12,50.06 19.72,50.06 20.13,50.47
  Bottom w0.254: 20.13,50.47 20.13,52.21
Net-(U5-FB): length 4.5
  Top w0.508: U5.5 13.02,41.17 12.26,40.41 R34.1 C23.2 R38.2
Net-(U7-FB): length 4.3
  Top w0.254: C29.1 12.33,20.77 12.33,22.12 ; R29.1 11.83,22.63 12.33,22.12 ; 12.33,22.12 U7.5
  Top w0.305: R30.1 C29.1
Net-(U7-SW): length 3.3
  Top w0.254: U7.2 15.18,22.12
  Top w0.61: 15.69,22.63 L2.1 16.13,22.12 15.18,22.12 15.69,22.63
Net-(U9-CLS): length 5.3
  Bottom w0.508: 20.13,57.81 20.13,58.44 20.77,59.08 R53.1 22.54,60.22 Class4_EN1.2
Net-(U9-DEN): length 1.8
  Bottom w0.406: R52.2 19.5,59.03 18.86,58.39 U9.2
Net-(U10-DI): length 3.2
  Top w0.305: U10.4 36.24,43.11 R27.2
Net-(U10-RO): length 3.4
  Top w0.152: 42.2,43.32 R23.2
  Top w0.508: U10.1 42.2,43.32

## Copper pours and planes (outline as drawn; the poured copper is in the pictures)
+3.3V on In2.Cu: 61.41,97.75 -9.71,97.75 -9.71,-11 61.41,-11
+5VP on Top: 4,27.71 4,31.65 5.65,31.65 7.81,33.8 11.37,33.8 11.5,30.88 10.23,29.61 10.23,27.71
GND on Top: 25.59,27.96 21.91,27.96 21.91,30.76 24.83,33.68 25.59,33.68
GND on Top, Bottom, In1.Cu, In2.Cu: 53.79,-3 -2.09,-3 -2.09,89.75 53.79,89.75
GND on Bottom: 56.33,-5.75 -4.63,-5.75 -4.63,92 56.33,92
GND on In1.Cu: -7.17,-8 58.87,-8 58.87,95.25 -7.17,95.25
GND on In2.Cu: 1.97,3.32 1.97,25.8 4.38,25.8 7.56,22.75 7.56,19.07 6.03,17.55 6.03,12.47 7.69,12.47 9.34,14.12 10.35,14.12 10.35,3.32
Spare2 on Top: 24.7,51.84 24.7,52.98 23.18,54.5 23.18,59.97 16.32,59.97 14.42,58.06 14.42,54.25 20.77,54.25 20.77,51.84
Spare2 on Bottom: 22.93,58.31 22.93,53.11 14.54,53.23 14.54,58.44
Spare2 on In1.Cu: 22.54,52.6 22.54,59.71 18.23,59.71 18.23,53.87 20.13,51.97 21.78,51.97
Spare2 on In2.Cu: 22.8,59.46 21.27,59.46 18.35,56.54 18.35,52.98 22.8,52.98
Net-(D5-K) on Top: 10.61,26.56 13.53,26.56 13.53,28.47 24.2,28.47 25.34,29.61 25.34,39.9 19.75,39.9 19.75,36.6 18.35,36.6 10.61,29.36
Net-(LAN_CON1-Shield) on Top: 28.76,3.32 11.87,3.32 11.87,9.48 11.23,10.12 11.11,11.71 28.63,11.71
Net-(LAN_CON1-Shield) on Bottom: 28.77,3.32 12.64,3.32 12.64,9.04 12,9.67 12,12.21 15.69,12.21 15.69,10.82 17.59,8.91 26.74,8.91 26.74,12.21 28.77,12.21
Net-(LAN_CON1-Shield) on In1.Cu: 28.77,3.35 11.88,3.35 11.88,9.51 11.24,10.15 11.24,11.74 28.77,11.74
Net-(LAN_CON1-Shield) on In2.Cu: 28.77,3.33 11.88,3.33 11.88,9.49 11.24,10.12 11.24,11.71 28.77,11.71
Net-(R28-Pad1) on Bottom: 18.35,35.58 18.35,41.81 16.83,43.33 16.07,43.33 13.78,41.04 13.78,35.58
Net-(R28-Pad1) on In1.Cu: 6.54,36.34 8.32,36.34 8.32,50.44 8.57,50.44 8.57,59.71 17.72,59.71 17.72,54.25 20.26,51.71 20.64,51.08 21.27,49.17 22.04,48.41 22.04,46.12 23.81,44.34 23.81,39.26 24.32,38.76 24.32,32.66 21.91,30.25 21.91,28.34 7.43,28.34 6.54,29.23

Small or netless copper shapes (teardrops, artwork), in the pictures only: 166 on Top, 156 on Bottom, 43 on In1.Cu, 57 on In2.Cu

## Text on the board
Bottom: 4
B.Silkscreen: o | 1 | + | Compliant | RoHS | Rev.M | (C) 2025 | www.kiconex.com | -
User.Comments: 4 Layer PCB, 8Errors , 31Warnings / Dimensions: 28x80mm
Top: 1
F.Silkscreen: 1 | ESP32-PoE | +5V | ESP_EN | GPIO39 | GPIO36 | GPIO35 | GPIO34 | GPIO33 | GPIO32 | GPIO16 | GPIO15 | GPIO14 | GPIO0 | GPIO1 | GPIO2 | GPIO3 | GPIO4 | GPIO5 | +3V3 | GND | + | GPIO13 | -
In1.Cu: 2
In2.Cu: 3
